# Altium PCB PCB_WINGLET_V1P_OSR.PcbDoc (part 1 of 4) (continued)
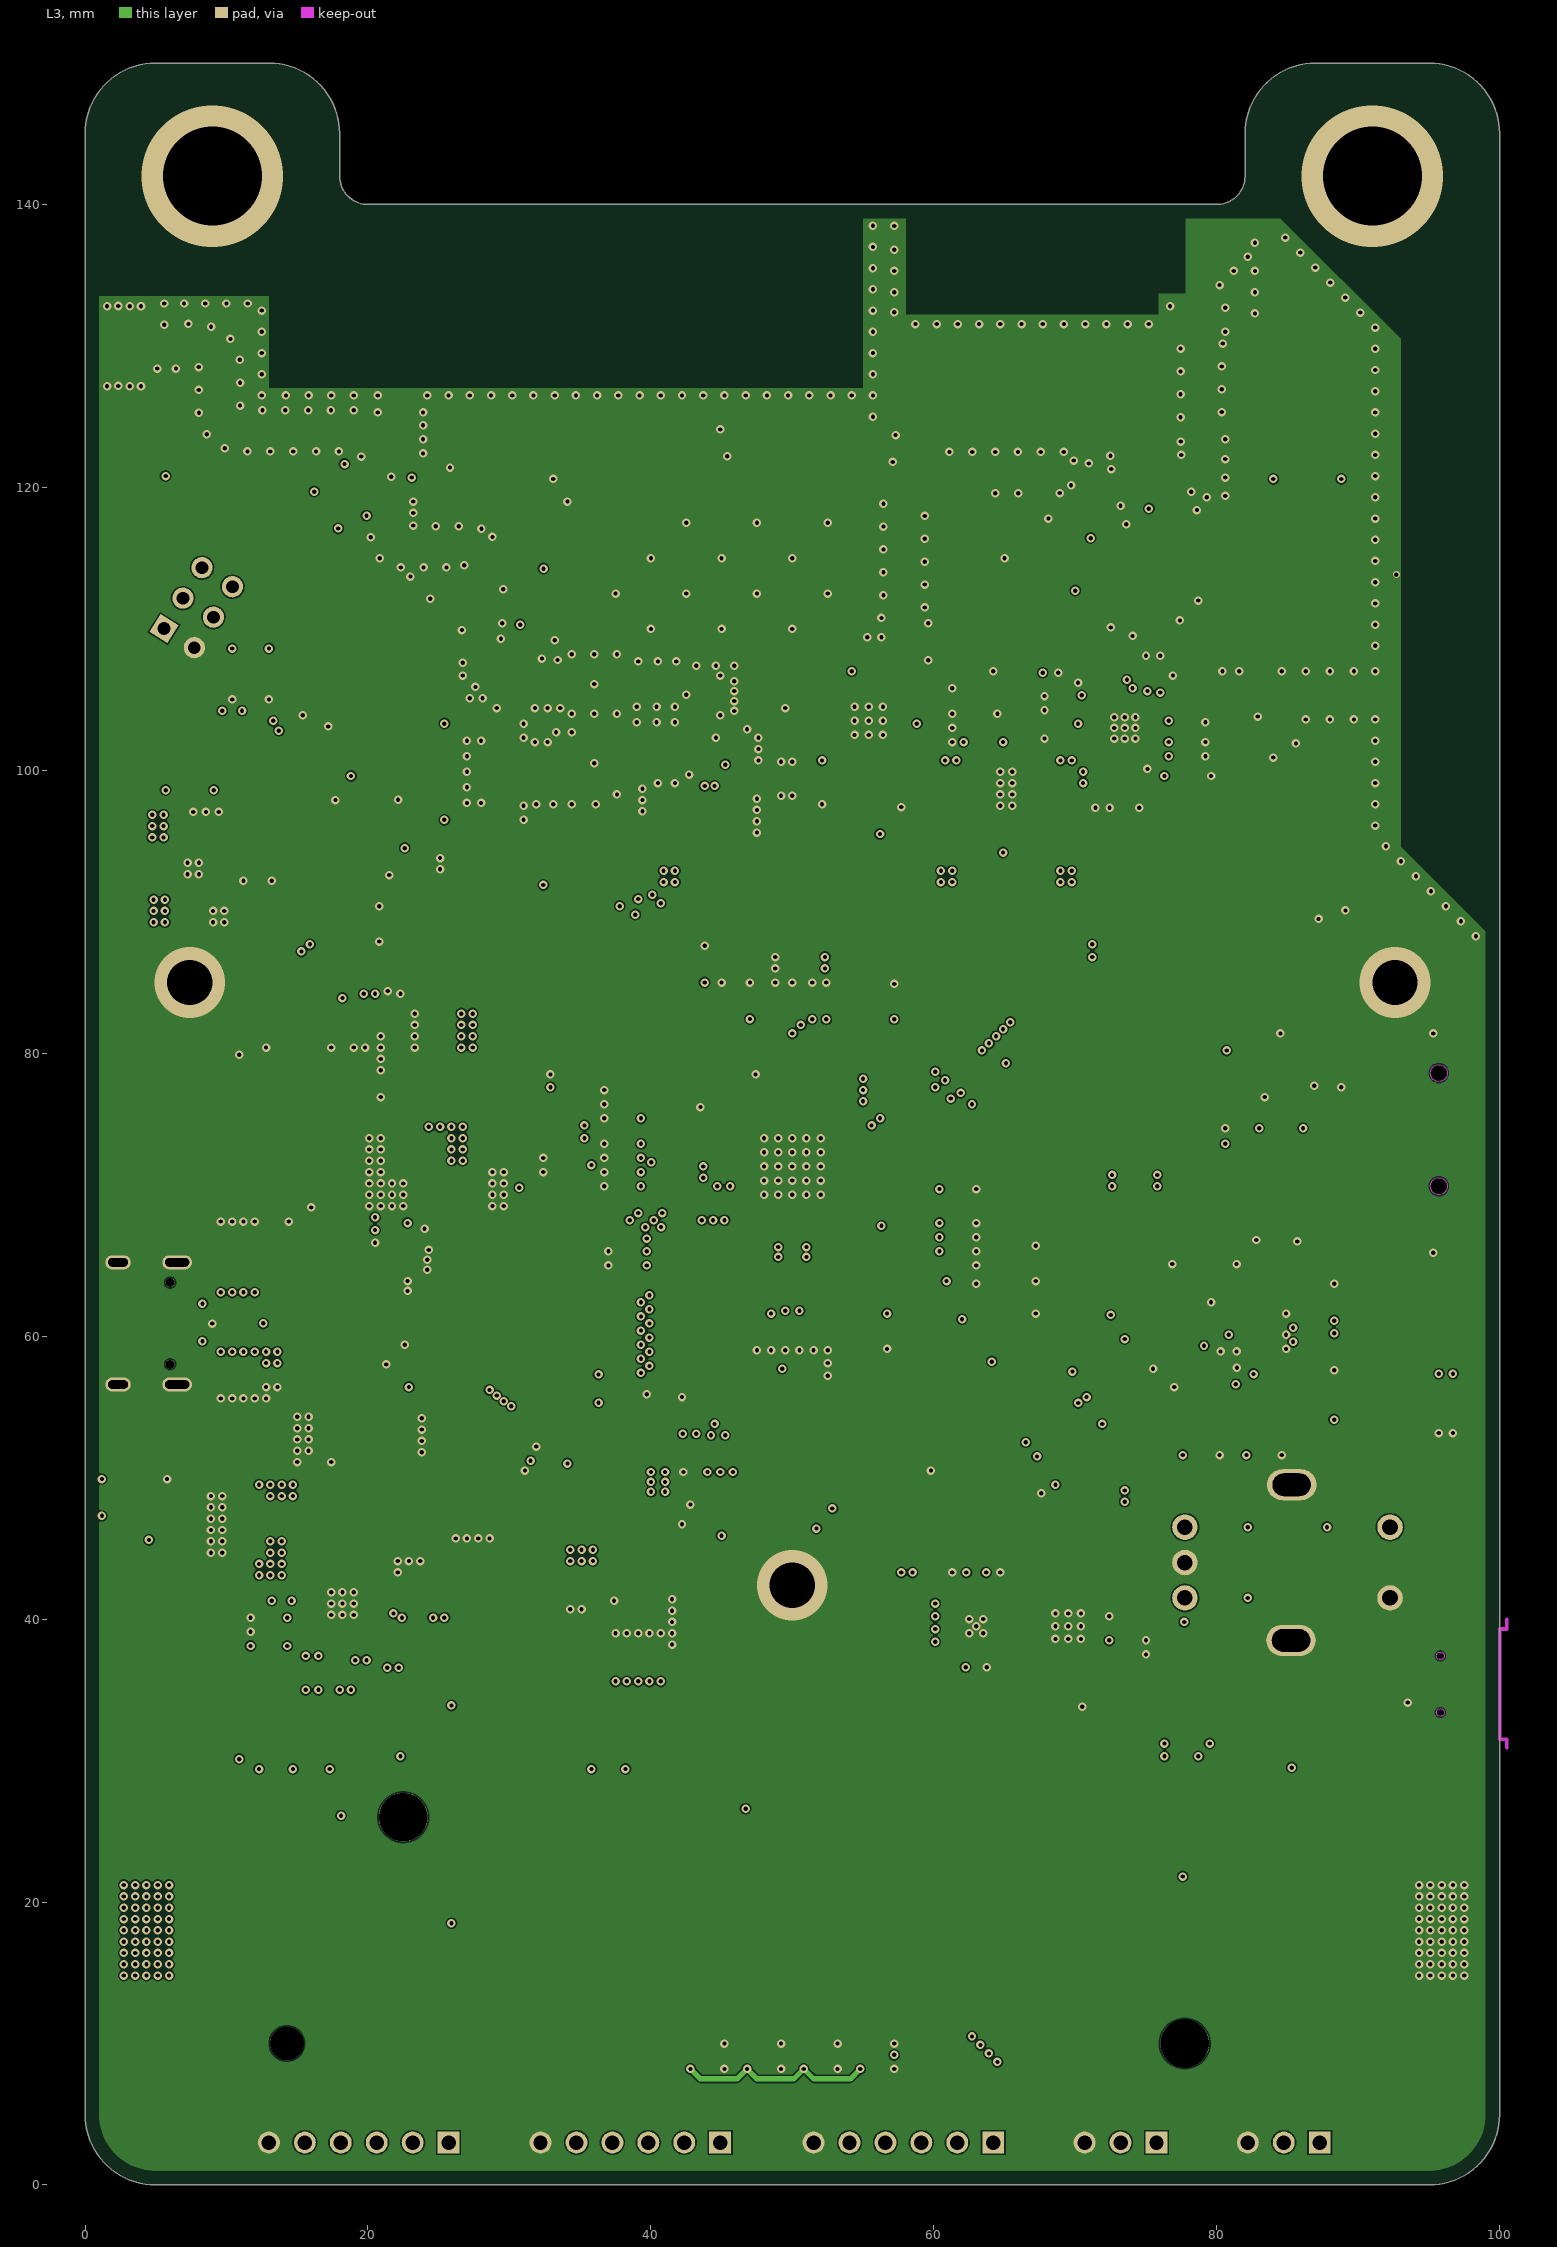
[diagram p3: L3]
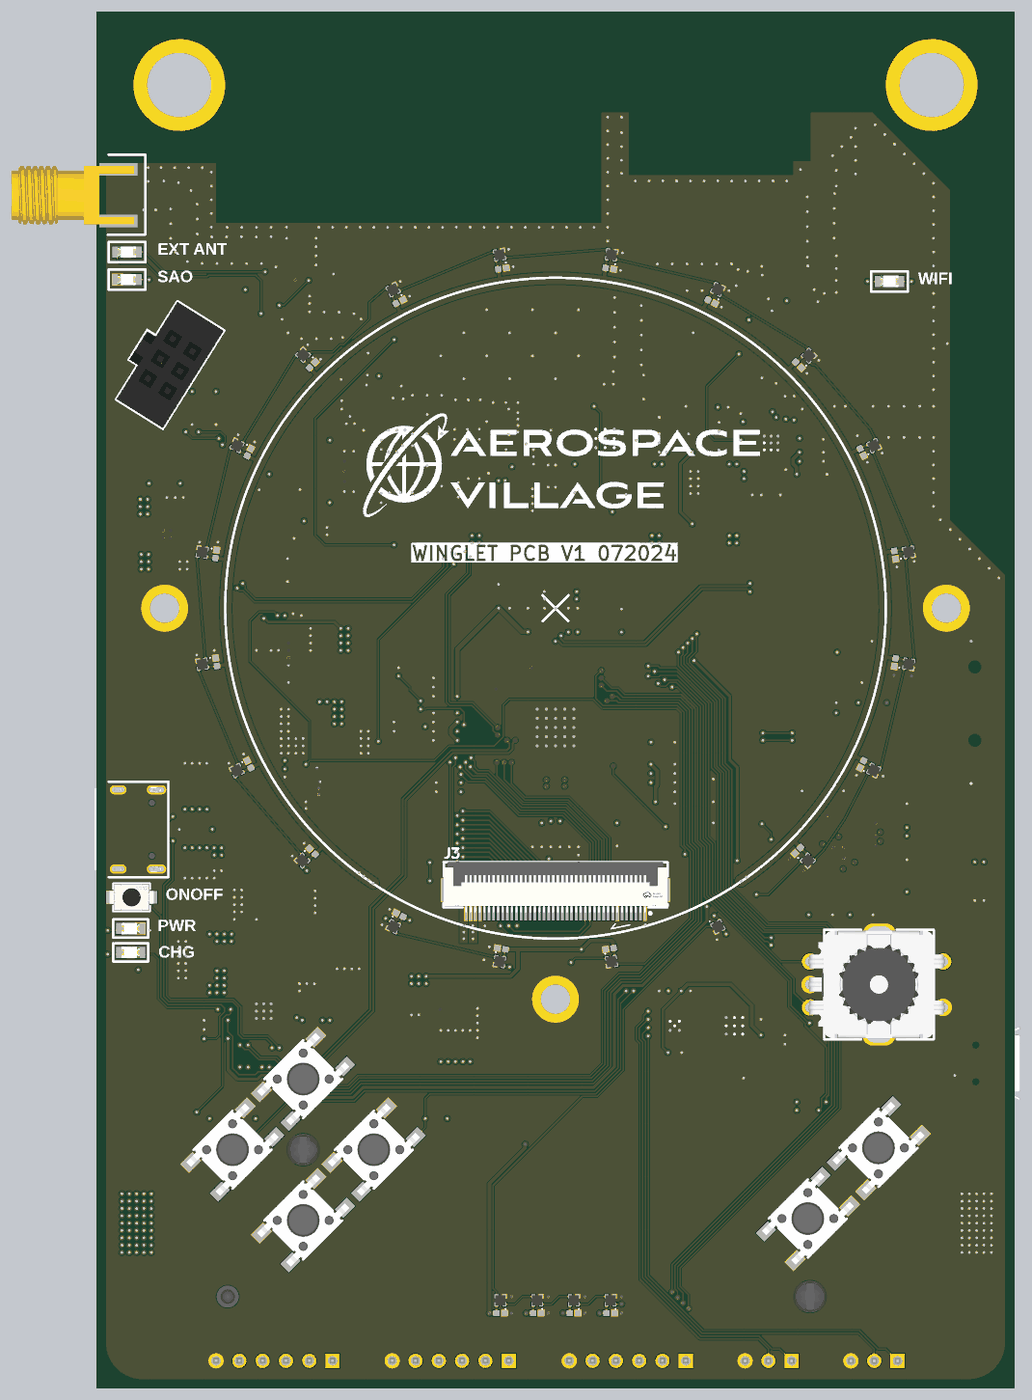
[diagram p7: 3D render of the assembled board from above, using the file's embedded part models]

## Layer stack, top to bottom
Top Solder: solder mask 0.0381, Solder Resist, Dk 3.8
L1: signal copper 0.035
Dielectric 2: prepreg 0.2104, PP-023, Dk 4.6
L2: signal copper 0.0152
Core: core 1.065, FR-4, Dk 4.6
L3: signal copper 0.0152
Dielectric 3: prepreg 0.2104, PP-023, Dk 4.6
L4: signal copper 0.035
Bottom Solder: solder mask 0.0381, Solder Resist, Dk 3.8

## Board outline
0,5 ccw(c5,5) 5,0 95,0 ccw(c95,5) 100,5 100,144 100,145 ccw(c95,145) 95,150 87,150 ccw(c87,145) 82,145 82,142 cw(c80,142) 80,140 20,140 cw(c20,142) 18,142 18,145 ccw(c13,145) 13,150 5,150 ccw(c5,145) 0,145

## Design rules (kind name [scope] priority, off if disabled: settings)
BoardOutlineClearance BoardOutlineClearance_GND [InNet('GND')] p1: gap=1 ignorepadtopadclearanceinfootprint=FALSE except(0: Arc-CavityEdge Arc-CutoutEdge Track-CavityEdge Track-CutoutEdge SMDPad-CavityEdge SMDPad-CutoutEdge THPad-CavityEdge THPad-CutoutEdge Via-CavityEdge Via-CutoutEdge Fill-CavityEdge Fill-CutoutEdge Poly-CavityEdge Poly-CutoutEdge Region-CavityEdge Region-CutoutEdge Text-CavityEdge Text-CutoutEdge)
BoardOutlineClearance [All] p2: gap=2 ignorepadtopadclearanceinfootprint=FALSE except(0: Arc-CavityEdge Arc-CutoutEdge Track-CavityEdge Track-CutoutEdge SMDPad-CavityEdge SMDPad-CutoutEdge THPad-CavityEdge THPad-CutoutEdge Via-CavityEdge Via-CutoutEdge Fill-CavityEdge Fill-CutoutEdge Poly-CavityEdge Poly-CutoutEdge Region-CavityEdge Region-CutoutEdge Text-CavityEdge Text-CutoutEdge)
Clearance Clearance_RF [InNetClass('RF_50Z')] p1: gap=0.102 ignorepadtopadclearanceinfootprint=TRUE except(0.711: Arc-Fill Arc-Poly Arc-Region Track-Fill Track-Poly Track-Region SMDPad-Fill SMDPad-Poly SMDPad-Region THPad-Fill THPad-Poly THPad-Region Via-Fill Via-Poly Via-Region Fill-Fill Fill-Poly Fill-Region Poly-Poly Poly-Region Region-Region)
Clearance [All] p2: gap=0.102 ignorepadtopadclearanceinfootprint=FALSE
DiffPairsRouting [InDifferentialPairClass('All Differential Pairs')] p1: maxlimit=0.127 minlimit=0.127 mostfreqgap=0.127 toplayer_minwidth=0.206 toplayer_maxwidth=0.206 toplayer_prefwidth=0.206 midlayer1_minwidth=0.131 midlayer1_maxwidth=0.131 midlayer1_prefwidth=0.131 midlayer2_minwidth=0.131 midlayer2_maxwidth=0.131 midlayer2_prefwidth=0.131 bottomlayer_minwidth=0.206 bottomlayer_maxwidth=0.206 bottomlayer_prefwidth=0.206 impedanceprofiledriven=TRUE impedanceprofileid={5EAE9D44-2608-444A-B735-00B7BEAD2A32} impedanceprofilevalue=90.000000 maxuncoupledlength=12.7
HoleSize [All] p1: absolutevalues=TRUE maxlimit=10 minlimit=0.3 maxpercent=80.000 minpercent=20.000
MatchedLengths Matched_EMMC [InNetClass('EMMC')] p1: tolerance=0.5 checknetsindiffpair=FALSE checkdiffpairvsdiffpair=TRUE checkxsignals=TRUE checkothers=TRUE
MatchedLengths Matched_MICROSD [InNetClass('MICROSD')] p2: tolerance=0.5 checknetsindiffpair=FALSE checkdiffpairvsdiffpair=TRUE checkxsignals=TRUE checkothers=TRUE
MinimumSolderMaskSliver [All] p1: minsoldermaskwidth=0.076
PolygonConnect [All] p1: connectstyle=Direct reliefconductorwidth=0.254 reliefentries=4 polygonreliefangle="90 Angle" airgapwidth=0.254
RoutingVias [All] p1: holewidth=0.711 width=1.27 viastyle="Through Hole" minholewidth=0.711 minwidth=1.27 maxholewidth=0.711 maxwidth=1.27
SilkToSolderMaskClearance [IsPad] p1: minsilkscreentomaskgap=0.076 clearancetoexposedcopper=TRUE
SolderMaskExpansion [All] p1: expansion=0.051 istentingtop=FALSE
SupplyNets "Schematic Supply Nets_1" [InNet('PP_LDOA_1V8')] p1: voltage=0.000
SupplyNets "Schematic Supply Nets" [InNet('PP_VBAT')] p2: voltage=0.000
SupplyNets "Schematic Supply Nets_18" [InNet('PP_ADSB_3V3')] p3: voltage=0.000
SupplyNets "Schematic Supply Nets_17" [InNet('PP_GNSS_3V3')] p4: voltage=0.000
SupplyNets "Schematic Supply Nets_16" [InNet('PP_RTL_3V3')] p5: voltage=0.000
SupplyNets "Schematic Supply Nets_15" [InNet('PP_RTC_1V8')] p6: voltage=0.000
SupplyNets "Schematic Supply Nets_14" [InNet('PP_USBC_VBUS')] p7: voltage=0.000
SupplyNets "Schematic Supply Nets_13" [InNet('PP_LDOB_DRAM')] p8: voltage=0.000
SupplyNets "Schematic Supply Nets_11" [InNet('PP_USB_UART')] p9: voltage=0.000
SupplyNets "Schematic Supply Nets_10" [InNet('PP_VSYS')] p10: voltage=0.000
SupplyNets "Schematic Supply Nets_9" [InNet('GND')] p11: voltage=0.000
SupplyNets "Schematic Supply Nets_8" [InNet('PP_VCORE_0V9')] p12: voltage=0.000
SupplyNets "Schematic Supply Nets_7" [InNet('PP_BMU_1V8')] p13: voltage=0.000
SupplyNets "Schematic Supply Nets_6" [InNet('PP_VLED_5V0')] p14: voltage=0.000
SupplyNets "Schematic Supply Nets_5" [InNet('PP_EMMC_VDDI')] p15: voltage=0.000
SupplyNets "Schematic Supply Nets_4" [InNet('PP_VCC_3V3')] p16: voltage=0.000
SupplyNets "Schematic Supply Nets_3" [InNet('PP_RTL_1V2')] p17: voltage=0.000
SupplyNets "Schematic Supply Nets_2" [InNet('PP_SAO_3V3')] p18: voltage=0.000
Width Width_RF [InNetClass('RF_50Z')] p1: maxlimit=0.356 minlimit=0.175 preferedwidth=0.356 toplayer_minwidth=0.356 midlayer1_maxwidth=0.175 midlayer1_prefwidth=0.175 midlayer2_maxwidth=0.175 midlayer2_prefwidth=0.175 bottomlayer_minwidth=0.356 impedanceprofiledriven=TRUE impedanceprofileid={D03B056D-E570-46F3-8697-32283004EA33} impedanceprofilevalue=50.000000 minimp=50.000000 maximp=50.000000 favimp=50.000000
Width [All] p2: maxlimit=2.54 minlimit=0.102 preferedwidth=0.152
26 further rules are at their usual default settings.

## Classes and differential pairs
net class EMMC: EMMC_CLK SOC_SDC2_CMD SOC_SDC2_D0 SOC_SDC2_D1 SOC_SDC2_D2 SOC_SDC2_D3
net class MICROSD: MICROSD_CLK SOC_SDC0_CMD SOC_SDC0_D0 SOC_SDC0_D1 SOC_SDC0_D2 SOC_SDC0_D3
net class RF_50Z: ADSB_PCB_ANT ANT_IN ANT_RF1 ANT_RF2 GNSS_RF_IN GNSS_RF_PI GNSS_RF_SAW NetC96_1 NetC96_2 NetC97_1 NetC97_2 NetC114_1 NetC115_1 NetC123_1 NetC123_2 NetC124_1 NetC124_2 NetC125_1 NetC125_2 NetC126_2 NetC127_2 NetL6_2 NetL7_2 NetU14_2 NetU14_3 RFE_BAL_A RFE_BAL_B RTL_RF WIFI_PCB_ANT WIFI_RFIN
component class SCH_WINGLET_WIFI: C77 C78 C79 C80 C81 C82 C83 C84 C85 C86 C87 C88 C89 C90 C91 FB1 L5 LED3 R44 R45 R46 R47 TP25 TP26 U7 X3
component class SCH_WINGLET_SOC: C47 C48 C49 C50 C51 C52 C53 C54 C55 C56 C57 C58 C59 C60 C61 R26 R27 R28 TP7 TP8 TP9 TP10 TP11 X1 X2
component class SCH_WINGLET_SD_MMC: C62 C63 C64 C65 C66 C67 C68 J2 R29 R30 R31 R32 R33 R34 R35 R36 TP12 TP13 TP14 TP15 TP16 TP17 TP18 TP19 TP20 TP21 TP22 TP23 TP24 U5
component class SCH_WINGLET_PWR: C17 C18 C19 C20 C21 C22 C23 C24 C25 C26 C27 C28 C29 C30 C31 C32 C33 C34 C35 C36 C37 C38 C39 C40 C41 C42 C43 C44 C45 C46 D2 L2 L3 LED2 R11 R12 R13 R14 R16 R17 R18 R19 R20 R21 R22 R23 R24 R25 TP4 TP5 TP6 U2 U3 U4
component class SCH_WINGLET_IO: C137 C138 C139 C140 C141 C142 C143 C144 C145 C146 C147 C148 C149 C150 C151 C152 C153 C154 C155 C156 C157 C158 C159 C160 C161 C162 D4 D5 J5 LED5 LED6 LED7 LED8 LED9 LED10 LED11 LED12 LED13 LED14 LED15 LED16 LED17 LED18 LED19 LED20 LED21 LED22 LED23 LED24 LED25 LED26 LED27 LED28 LED29 Q3 Q4 R64 R65 R66 R67 R68 R69 R70 R71 R72 R73 R74 R75 R76 R77 R78 R79 R80 R81 R82 R83 R84 R85 SW2 SW3 SW4 SW5 SW6 SW7 SW8 TP28 U16
component class SCH_WINGLET_GNSS: ANT1 C92 C93 C94 C95 C96 C97 C98 C99 C100 C101 C102 C103 C104 C105 C106 C107 C108 C109 C110 C111 C112 C113 D3 F1 FB2 L6 L7 L8 L9 R48 R49 R50 R51 TP27 U8 U9 U10 X4 X5 Z1 Z2 Z3 Z4
component class SCH_WINGLET_DISP: C69 C70 C71 C72 C73 C74 C75 C76 J3 L4 R37 R38 R39 R40 R41 R42 R43 S U6
component class SCH_WINGLET_DEBUG: C163 C164 C165 C166 C167 J6 P1 P2 P3 P4 P5 R86 R87 R88 R89 R90 R91 R92 R93 SW9 SW10 U17 U18
component class SCH_WINGLET_BMU: BT1 C1 C2 C3 C4 C5 C6 C7 C8 C9 C10 C11 C12 C13 C14 C15 C16 D1 J1 L1 LED1 R1 R2 R3 R4 R5 R6 R7 R8 R9 R10 SW1 TP1 TP2 TP3 U1
component class SCH_WINGLET_ADSB: C114 C115 C116 C117 C118 C119 C120 C121 C122 C123 C124 C125 C126 C127 C128 C129 C130 C131 C132 C133 C134 C135 C136 F2 F3 FB3 J4 L10 L11 L12 L13 LED4 Q1 Q2 R15 R52 R53 R54 R55 R56 R57 R58 R59 R60 R61 R62 R63 U11 U12 U13 U14 U15 Z5 Z6 Z7 Z8 Z9 Z10
differential pair DBG_USB_D: +DBG_USB_D_P -DBG_USB_D_N
differential pair USBC_D: +USBC_D_P -USBC_D_N
differential pair SOC_USB_D: +SOC_USB_D_P -SOC_USB_D_N
differential pair RTL_USB_D: +RTL_USB_D_P -RTL_USB_D_N

## Components (designator, comment, footprint, x,y, rotation, side; value= is the part's Value field where it differs from the comment)
ANT1 "1001011" ANT1001011 59.9,137.4 r0 bottom
BT1 "1042P" FP-1042P-MFG 50.123,17.999 r180 bottom locked
C1 "10uF_0603" CAPC1609X100X15NL20 23.4,39.3 r90 bottom
C2 "100uF_10V" FP-TAJB-MFG 10.8,65.6 r270 bottom
C3 "22uF_0603" CAPC1608X100X20NL10 11.6,57.2 r90 bottom
C4 "22uF_0603" CAPC1608X100X20NL10 10.1,57.2 r90 bottom
C5 "100uF_10V" FP-TAJB-MFG 27.4,43.2 r270 bottom
C6 "22uF_0603" CAPC1608X100X20NL10 23.4,42.4 r270 bottom
C7 "0.1uF_0402" CAPC1005X56X25NL10T15 22.1,42 r270 bottom
C8 "100uF_10V" FP-TAJB-MFG 21.3,53 r180 bottom
C9 "22uF_0603" CAPC1608X100X20NL10 17.5,53.8 r0 bottom
C10 "22uF_0603" CAPC1608X100X20NL10 17.5,52.3 r0 bottom
C11 "1uF_0402" CAPC1005X55X25NL5T10 15.3,45.5 r0 bottom
C12 "10uF_0603" CAPC1609X100X15NL20 16.3,50.2 r270 bottom
C13 "10uF_0603" CAPC1609X100X15NL20 11.4,48.3 r0 bottom
C14 "10uF_0603" CAPC1609X100X15NL20 11.4,46.7 r0 bottom
C15 "22uF_0603" CAPC1608X100X20NL10 11.4,45.1 r0 bottom
C16 "2.2uF_0402" CAPC1005X55X25NL05T10 13,39.1 r0 bottom
C17 "22uF_0603" CAPC1608X100X20NL10 24.4,63.6 r0 bottom
C18 "22uF_0603" CAPC1608X100X20NL10 24.4,68.6 r0 bottom
C19 "22uF_0603" CAPC1608X100X20NL10 24.4,70.1 r0 bottom
C20 "22uF_0603" CAPC1608X100X20NL10 27.1,71.1 r180 bottom
C21 "22uF_0603" CAPC1608X100X20NL10 27.1,69.6 r180 bottom
C22 "100uF_10V" FP-TAJB-MFG 23.4,72.8 r0 bottom
C23 "1uF_0402" CAPC1005X55X25NL5T10 21.7,64.7 r0 bottom
C24 "22uF_0603" CAPC1608X100X20NL10 20.1,77.9 r180 bottom
C25 "22uF_0603" CAPC1608X100X20NL10 24.9,80.8 r0 bottom
C26 "22uF_0603" CAPC1608X100X20NL10 24.9,82.3 r0 bottom
C27 "0.1uF_0402" CAPC1005X56X25NL10T15 21.4,83.1 r270 bottom
C28 "0.1uF_0402" CAPC1005X56X25NL10T15 63,62.4 r270 bottom
C29 "2.2uF_0402" CAPC1005X55X25NL05T10 61.7,67 r180 bottom
C30 "2.2uF_0402" CAPC1005X55X25NL05T10 61.7,65 r180 bottom
C31 "10uF_0603" CAPC1609X100X15NL20 50.6,86.4 r0 bottom
C32 "10uF_0603" CAPC1609X100X15NL20 34.1,72.1 r0 bottom
C33 "0.1uF_0402" CAPC1005X56X25NL10T15 51.4,83.7 r270 bottom
C34 "0.1uF_0402" CAPC1005X56X25NL10T15 52.4,83.7 r270 bottom
C35 "0.1uF_0402" CAPC1005X56X25NL10T15 52.5,60.3 r90 bottom
C36 "0.1uF_0402" CAPC1005X56X25NL10T15 47.5,60.3 r90 bottom
C37 "0.1uF_0402" CAPC1005X56X25NL10T15 38,71.6 r0 bottom
C38 "0.1uF_0402" CAPC1005X56X25NL10T15 61.7,68 r180 bottom
C39 "0.1uF_0402" CAPC1005X56X25NL10T15 61.7,70.4 r180 bottom
C40 "0.1uF_0402" CAPC1005X56X25NL10T15 38,72.6 r0 bottom
C41 "1uF_0402" CAPC1005X55X25NL5T10 38,73.6 r0 bottom
C42 "2.2uF_0402" CAPC1005X55X25NL05T10 61.7,66 r180 bottom
C43 "10uF_0603" CAPC1609X100X15NL20 50.9,57.7 r180 bottom
C44 "1uF_0402" CAPC1005X55X25NL5T10 50.5,60.3 r90 bottom
C45 "0.1uF_0402" CAPC1005X56X25NL10T15 49.5,60.3 r90 bottom
C46 "0.1uF_0402" CAPC1005X56X25NL10T15 48.5,60.3 r90 bottom
C47 "0.1uF_0402" CAPC1005X56X25NL10T15 38,70.6 r0 bottom
C48 "22pF_0402" CAPC1005X56X25LL10T15 67.2,62.8 r270 bottom
C49 "22pF_0402" CAPC1005X56X25LL10T15 67.2,65 r90 bottom
C50 "0.1uF_0402" CAPC1005X56X25NL10T15 38,77.4 r0 bottom
C51 "0.1uF_0402" CAPC1005X56X25NL10T15 38,76.4 r0 bottom
C52 "0.1uF_0402" CAPC1005X56X25NL10T15 47,83.7 r270 bottom
C53 "1uF_0402" CAPC1005X55X25NL5T10 48.8,83.7 r270 bottom
C54 "1uF_0402" CAPC1005X55X25NL5T10 50,83.7 r270 bottom
C55 "2.2uF_0402" CAPC1005X55X25NL05T10 43.8,86.3 r270 bottom
C56 "27pF_0402" CAPC1005X55X25ML05T10 65.7,66.4 r180 bottom
C57 "27pF_0402" CAPC1005X55X25ML05T10 65.7,71.6 r0 bottom
C58 "0.1uF_0402" CAPC1005X56X25NL10T15 45,83.7 r270 bottom
C59 "2.2uF_0402" CAPC1005X55X25NL05T10 38,75.4 r0 bottom
C60 "0.1uF_0402" CAPC1005X56X25NL10T15 56.7,60.3 r90 bottom
C61 "0.1uF_0402" CAPC1005X56X25NL10T15 57.2,83.7 r270 bottom
C62 "0.1uF_0402" CAPC1005X56X25NL10T15 81.9,74.7 r0 bottom
C63 "2.2uF_0402" CAPC1005X55X25NL05T10 80.1,65.1 r180 bottom
C64 "0.1uF_0402" CAPC1005X56X25NL10T15 78.16,65.1 r0 bottom
C65 "2.2uF_0402" CAPC1005X55X25NL05T10 83.35,51.6 r180 bottom
C66 "0.1uF_0402" CAPC1005X56X25NL10T15 78.9,51.6 r180 bottom
C67 "2.2uF_0402" CAPC1005X55X25NL05T10 88.3,62.4 r270 bottom
C68 "0.1uF_0402" CAPC1005X56X25NL10T15 88.3,58.9 r90 bottom
C69 "0.1uF_0402" CAPC1005X56X25NL10T15 38.3,66 r0 bottom
C70 "0.1uF_0402" CAPC1005X56X25NL10T15 38.3,65 r0 bottom
C71 "10uF_0603" CAPC1609X100X15NL20 40.9,54.8 r270 bottom
C72 "0.1uF_0402" CAPC1005X56X25NL10T15 42.2,54.4 r270 bottom
C73 "10uF_0603" CAPC1609X100X15NL20 34.8,42.4 r90 bottom
C74 "0.1uF_0402" CAPC1005X56X25NL10T15 37.7,37.3 r270 bottom
C75 "22uF_0603" CAPC1608X100X20NL10 40.5,37.3 r270 bottom
C76 "22uF_0603" CAPC1608X100X20NL10 39,37.3 r270 bottom
C77 "0.1uF_0402" CAPC1005X56X25NL10T15 87.5,105.3 r0 bottom
C78 "1.2pF_0402" CAPC1005X61X26NL10T16 81.6,105.74 r270 bottom
C79 "1pF_0402" CAPC1005X56X25NL10T15 77.6,105.74 r270 bottom
C80 "0.1uF_0402" CAPC1005X56X25NL10T15 76,106.8 r270 bottom
C81 "0.1uF_0402" CAPC1005X56X25NL10T15 75,106.8 r270 bottom
C82 "0.1uF_0402" CAPC1005X56X25NL10T15 77.9,101 r180 bottom
C83 "0.1uF_0402" CAPC1005X56X25NL10T15 69.15,105.3 r0 bottom
C84 "0.1uF_0402" CAPC1005X56X25NL10T15 77.9,103.5 r180 bottom
C85 "0.1uF_0402" CAPC1005X56X25NL10T15 71.425,98.65 r90 bottom
C86 "0.1uF_0402" CAPC1005X56X25NL10T15 72.425,98.65 r90 bottom
C87 "100uF_10V" FP-TAJB-MFG 68.05,98.7 r0 bottom
C88 "10uF_0603" CAPC1609X100X15NL20 77.95,99.6 r180 bottom
C89 "0.1uF_0402" CAPC1005X56X25NL10T15 77.9,102 r180 bottom
C90 "10pF_0402" CAPC1006X50X20NL10T10 73.825,108.15 r270 bottom
C91 "10pF_0402" CAPC1006X50X20NL10T10 68.825,108.15 r90 bottom
C92 "10uF_0603" CAPC1609X100X15NL20 76.9,118.4 r180 bottom
C93 "33nF_0402" CAPC1005X56X25NL10T15 76.9,119.7 r0 bottom
C94 "10uF_0603" CAPC1609X100X15NL20 71.9,117.4 r180 bottom
C95 "33nF_0402" CAPC1005X56X25NL10T15 71.9,118.7 r0 bottom
C96 "470pF_0402" CAPC1005X56X25NL10T15 78.9,123.2 r90 bottom
C97 "470pF_0402" CAPC1005X56X25NL10T15 74.34,121.8 r0 bottom
C98 "3pF_0402" CAPC1005X55X25NL05T10 58.34,110.4 r180 bottom
C99 "3pF_0402" CAPC1005X55X25NL05T10 58.34,107.8 r180 bottom
C100 "100uF_10V" FP-TAJB-MFG 62.2,98.7 r180 bottom
C101 "10uF_0603" CAPC1609X100X15NL20 50.2,99.4 r0 bottom
C102 "1uF_0402" CAPC1005X55X25NL5T10 52.1,98.9 r90 bottom
C103 "10uF_0603" CAPC1609X100X15NL20 49.6,102.3 r90 bottom
C104 "1uF_0402" CAPC1005X55X25NL5T10 50.8,104.4 r0 bottom
C105 "1uF_0402" CAPC1005X55X25NL5T10 60,104 r180 bottom
C106 "1uF_0402" CAPC1005X55X25NL5T10 60,105.8 r180 bottom
C107 "0.1uF_0402" CAPC1005X56X25NL10T15 60,102 r180 bottom
C108 "1uF_0402" CAPC1005X55X25NL5T10 55.3,108.1 r270 bottom
C109 "1uF_0402" CAPC1005X55X25NL5T10 60,103 r180 bottom
C110 "1uF_0402" CAPC1005X55X25NL5T10 56.3,108.1 r270 bottom
C111 "0.1uF_0402" CAPC1005X56X25NL10T15 62.9,107 r180 bottom
C112 "22pF_0402" CAPC1005X56X25LL10T15 58.7,97.4 r0 bottom
C113 "22pF_0402" CAPC1005X56X25LL10T15 56.7,97.4 r180 bottom
C114 "100pF_0402" CAPC1005X55X25NL05T10 6.2,130 r0 bottom
C115 "100pF_0402" CAPC1005X55X25NL05T10 21.65,117.85 r270 bottom
C116 "100uF_10V" FP-TAJB-MFG 45,96.8 r180 bottom
C117 "10uF_0603" CAPC1609X100X15NL20 41.2,97.7 r0 bottom
C118 "1nF_0402" CAPC1005X56X25NL10T15 19.75,120.15 r270 bottom
C119 "10uF_0603" CAPC1609X100X15NL20 31.6,109.2 r180 bottom
C120 "10uF_0603" CAPC1609X100X15NL20 46.1,101.5 r180 bottom
C121 "0.1uF_0402" CAPC1005X56X25NL10T15 31.2,107.9 r180 bottom
C122 "0.1uF_0402" CAPC1005X56X25NL10T15 45.7,102.9 r180 bottom
C123 "100pF_0402" CAPC1005X55X25NL05T10 32.2,106.1 r0 bottom
C124 "100pF_0402" CAPC1005X55X25NL05T10 40.7,106.1 r0 bottom
C125 "100pF_0402" CAPC1005X55X25NL05T10 42.9,101.1 r180 bottom
C126 "2.9pF_0402" CAPC1006X50X20NL10T10 41,101.8 r180 bottom
C127 "2.9pF_0402" CAPC1006X50X20NL10T10 39.4,100 r90 bottom
C128 "1nF_0402" CAPC1005X56X25NL10T15 17.7,99.1 r90 bottom
C129 "10uF_0603" CAPC1609X100X15NL20 19.3,94.3 r90 bottom
C130 "10uF_0603" CAPC1609X100X15NL20 33.5,87.9 r180 bottom
C131 "1nF_0402" CAPC1005X56X25NL10T15 29.7,102.3 r180 bottom
C132 "0.1uF_0402" CAPC1005X56X25NL10T15 29.7,103.3 r180 bottom
C133 "1nF_0402" CAPC1005X56X25NL10T15 29.7,97.5 r180 bottom
C134 "0.1uF_0402" CAPC1005X56X25NL10T15 29.7,96.5 r180 bottom
C135 "10uF_0603" CAPC1609X100X15NL20 23.4,93.4 r180 bottom
C136 "0.1uF_0402" CAPC1005X56X25NL10T15 22,91.8 r0 bottom
C137 "0.1uF_0402" CAPC1005X56X25NL10T15 55.9,47.9 r9 top
C138 "0.1uF_0402" CAPC1005X56X25NL10T15 44.1,47.9 r351 top
C139 "0.1uF_0402" CAPC1005X56X25NL10T15 33,51.6 r333 top
C140 "0.1uF_0402" CAPC1005X56X25NL10T15 23.5,58.5 r315 top
C141 "0.1uF_0402" CAPC1005X56X25NL10T15 16.6,68 r297 top
C142 "0.1uF_0402" CAPC1005X56X25NL10T15 13.031,79.135 r279 top
C143 "0.1uF_0402" CAPC1005X56X25NL10T15 55.9,122 r171 top
C144 "0.1uF_0402" CAPC1005X56X25NL10T15 44.2,122 r189 top
C145 "0.1uF_0402" CAPC1005X56X25NL10T15 33,118.4 r207 top
C146 "0.1uF_0402" CAPC1005X56X25NL10T15 23.5,111.5 r225 top
C147 "0.1uF_0402" CAPC1005X56X25NL10T15 16.6,102 r243 top
C148 "0.1uF_0402" CAPC1005X56X25NL10T15 13,90.9 r261 top
C149 "0.1uF_0402" CAPC1005X56X25NL10T15 67,118.4 r153 top
C150 "0.1uF_0402" CAPC1005X56X25NL10T15 76.5,111.5 r135 top
C151 "0.1uF_0402" CAPC1005X56X25NL10T15 83.4,102 r117 top
C152 "0.1uF_0402" CAPC1005X56X25NL10T15 87,90.8 r99 top
C153 "0.1uF_0402" CAPC1005X56X25NL10T15 87,79.1 r81 top
C154 "0.1uF_0402" CAPC1005X56X25NL10T15 83.4,68 r63 top
C155 "0.1uF_0402" CAPC1005X56X25NL10T15 56,8.2 r180 top
C156 "0.1uF_0402" CAPC1005X56X25NL10T15 52,8.2 r180 top
C157 "0.1uF_0402" CAPC1005X56X25NL10T15 48,8.2 r180 top
C158 "0.1uF_0402" CAPC1005X56X25NL10T15 44,8.2 r180 top
C159 "0.1uF_0402" CAPC1005X56X25NL10T15 67.6,50.2 r90 bottom
C160 "0.1uF_0402" CAPC1005X56X25NL10T15 76.4,58.6 r45 top
C161 "10uF_0603" CAPC1609X100X15NL20 7.35,90.06 r180 bottom
C162 "10uF_0603" CAPC1609X100X15NL20 7.25,96.06 r180 bottom
C163 "1uF_0402" CAPC1005X55X25NL5T10 73.7,37.5 r180 bottom
C164 "0.1uF_0402" CAPC1005X56X25NL10T15 73.7,38.5 r180 bottom
C165 "0.1uF_0402" CAPC1005X56X25NL10T15 64.2,42.4 r180 bottom
C166 "0.1uF_0402" CAPC1005X56X25NL10T15 61.8,42.4 r0 bottom
C167 "22uF_0603" CAPC1608X100X20NL10 70.5,35.5 r90 bottom
D1 "USBLC6-2P6" FP-SOT-666-MFG 10.8,60.9 r0 bottom
D2 "BAT54KFILM" FP-SOD-523-MFG 63,60.1 r90 bottom value=7pF
D3 "BAT54KFILM" FP-SOD-523-MFG 63.5,102 r0 bottom value=7pF
D4 "USBLC6-2P6" FP-SOT-666-MFG 10.4,106.81 r90 bottom
D5 "USBLC6-2P6" FP-SOT-666-MFG 13,106.81 r90 bottom
F1 "SAFFB1G56KB0F0A" SAW80P110X50-5L 69.9,121.05 r0 bottom
F2 "TA0232A" LCCS127P380X380X125-8N 36,100.5 r180 bottom
F3 "TA0970A" LCCS127P380X380X125-6N 36,106.1 r0 bottom
FB1 "BEAD_0805" FP-BLM21-0_2-t0_85-e0_5-IPC_B 69.35,95 r90 bottom
FB2 "BEAD_0805" FP-BLM21-0_2-t0_85-e0_5-IPC_B 60.9,95 r90 bottom
FB3 "BEAD_0805" FP-BLM21-0_2-t0_85-e0_5-IPC_B 41.3,95 r90 bottom
J1 "USB4105-GF-A" FP-USB4105-GF-A-MFG 3.5,60.9 r90 bottom locked
J2 "TF PUSH" LCSC_TF_PUSH 90,73.65 r270 bottom locked
J3 "C2856812" LCSC_FPC_40P_0P5MM 50,53 r90 top locked
J4 "SMA-J-P" FP-SMA-J-P-H-ST-EM1-MFG -4.5,130 r90 bottom
J5 "SAO_V2_HOST" SAO_FEMALE 8,111.5 r148 top
J6 "MicroUSB" LCSC_MicroQTJ 96.5,35.4 r270 bottom locked
L1 "1uH_3.6A" FP-NRS5020-MFG 20.9,47.7 r180 bottom
L2 "470nH" FP-DFE252012C-IPC_A 27.7,66.1 r90 bottom
L3 "2.2uH" FP-NR3015-MFG 24.9,78.3 r0 bottom
L4 "2.2uH" FP-NR3015-MFG 35.4,37.6 r270 bottom
L5 "2.7nH_0603" FP-LQG18HH_00-IPC_B 79.6,105.3 r180 bottom
L6 "6.8nH_0402" FP-LQW15AN_00-W0_6-0_1-MFG 78.9,121.225 r270 bottom
L7 "6.8nH_0402" FP-LQW15AN_00-W0_6-0_1-MFG 73.9,120.225 r270 bottom
L8 "6.2nH_0402" FP-LQG15HH_02-IPC_C 57.9,109.1 r270 bottom
L9 "2.2uH_0603" FP-MLZ1608-IPC_C 51.1,102.3 r270 bottom
L10 "7.3nH_0402" FP-LQW15AN_00-W0_6-0_1-MFG 39.4,102.2 r90 bottom
L11 "68nH_0402" FP-LQG15HH_02-MFG 30.7,106.5 r90 bottom
L12 "68nH_0402" FP-LQG15HH_02-MFG 43.7,102.9 r0 bottom
L13 "7.3nH_0402" FP-LQW15AN_00-W0_6-0_1-MFG 41,100.5 r0 bottom
LED1 "RED_0805" 0805_A 3.7,47.5 r180 top
LED2 "GREEN_0805" 0805_A 3.7,50.1 r180 top